# KiCad board meepolab pcb.kicad_pcb (continued)
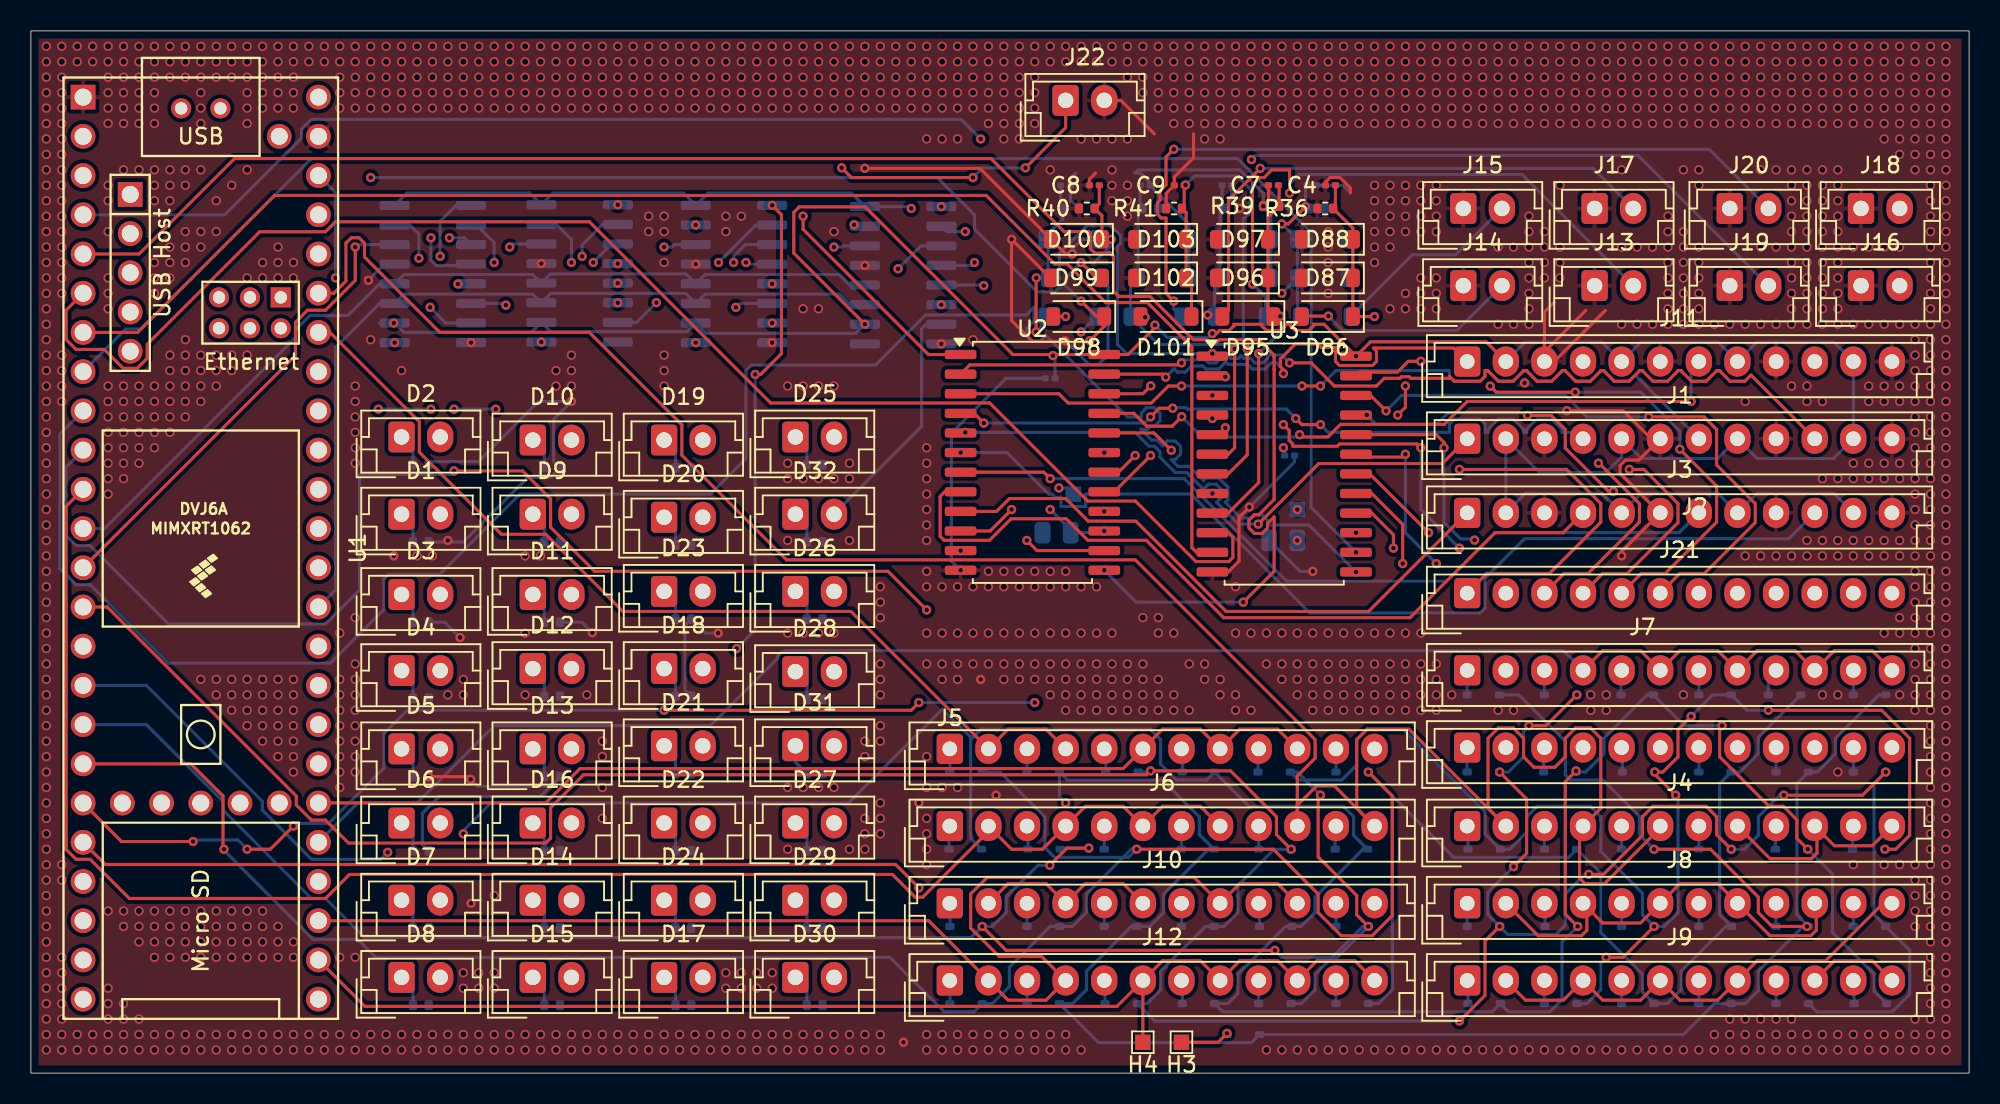
[diagram p0: board, top side]
## Routing (per net, layer and track width the routed paths; a pad name or vN(x,y) marks a point on that pad's centre or on a via; arc(x,y) is an arc through that point) (continued)
Drum3: length 25.5
  Top w0.2: v1(65.1,51.5) 65.09,51.49 v1(65.09,48)
  In2.Cu w0.2: v1(65.09,48) 65.09,40.79 v1(69.5,36.38)
  Bottom w0.2: v1(65.09,48) 65.7,48.61 D92.1 ; v1(65.1,51.5) 65.85,51.5 D93.1 65.85,53.85 D94.1 65.7,54.2 66.82,55.32 R38.1 66.68,56.15 C6.1
Drum4: length 24.1
  Top w0.2: D95.1 80.1,49.35 D96.1 D97.1 80.1,55.43 R39.1 80.82,57.45 C7.1 ; v1(79.5,46.6) 79.5,38.25 77.52,36.27 U3.9
  Bottom w0.2: v1(79.5,46.6) 80.9,48 v1(80.9,49.02)
Drum5: length 34.4
  Top w0.2: v1(68,50) 69,49 D98.1 69.51,48.99 69.51,48.38 v1(68.57,47.43) ; D99.1 69,51.5 v1(68,52.5) ; C8.1 69.18,56.3 R40.1 69.35,55.53 D100.1 69.35,54 v1(69.95,54)
  In2.Cu w0.2: v1(76.5,37.54) 70.17,37.54 68.1,39.61 68.1,44.86 69.51,46.28 69.51,46.49 69.46,46.54 69.46,46.72 69.1,47.07 68.93,47.07 v1(68.57,47.43)
  Bottom w0.2: v1(68,50) 67,51 67,51.5 v1(68,52.5) 68.85,52.5 69.95,53.6 v1(69.95,54)
Drum6: length 34
  Top w0.2: D101.1 75.15,50.95 74.8,51.3 D102.1 D103.1 74.8,55.73 R41.1 74.68,56.15 74.68,57.5 ; U3.7 77.52,38.81 78.76,40.04 v1(78.76,46.9)
  Bottom w0.2: v1(74.76,57.52) 75.35,58.1 78.12,58.1 79,57.22 79,56.51 78.86,56.37 78.86,55.63 78.61,55.38 78.5,55.38 78.5,47.16 v1(78.76,46.9)
Drum7: length 24.5
  Top w0.2: U3.6 77.52,40.08 77.94,40.5 v1(77.94,46.9)
  Bottom w0.2: 71.82,57.5 71.82,56.15 R42.1 71.7,55.73 D106.1 D105.1 71.2,51 D104.1 73,47.2 77.64,47.2 v1(77.94,46.9)
External 3v3: length 58.9
  Top w0.2: v1(52.5,58.63) 53.13,58 v1(61,58) ; v1(64.4,58.63) 67,61.23 J22.1
  In2.Cu w0.2: v1(57,56) 55.13,56 v1(52.5,58.63)
  Bottom w0.2: v1(64.4,58.63) 61.63,58.63 v1(61,58) ; U4.16 24.35,57 32.29,57 U5.16 33.81,57 42.25,57 U6.16 43.85,57 53.12,57 U7.16 56.88,56.12 v1(57,56)
KeyBot1Gnd: length 1.6
  Bottom w0.2: D58.2 J7.3
KeyBot2Gnd: length 1.6
  Bottom w0.2: D59.2 102.95,26.03 J7.5
KeyBot3Gnd: length 1.6
  Bottom w0.2: D60.2 J7.7
KeyBot4Gnd: length 1.8
  Bottom w0.2: J7.9 112.5,25.58 D61.2
KeyBot5Gnd: length 1.6
  Bottom w0.2: D62.2 J7.11
KeyBot6Gnd: length 1.5
  Bottom w0.2: D63.2 J8.1
KeyBot7Gnd: length 1.5
  Bottom w0.2: D64.2 98.05,10.95 J8.3
KeyBot8Gnd: length 1.5
  Bottom w0.2: D65.2 J8.5
KeyBot9Gnd: length 1.5
  Bottom w0.2: D66.2 J8.7
KeyBot10Gnd: length 1.5
  Bottom w0.2: D67.2 J8.9
KeyBot11Gnd: length 1.5
  Bottom w0.2: D68.2 J8.11
KeyBot12Gnd: length 1.5
  Bottom w0.2: J9.1 93.05,5.95 D69.2
KeyBot13Gnd: length 1.5
  Bottom w0.2: D70.2 J9.3
KeyBot14Gnd: length 1.5
  Bottom w0.2: D71.2 J9.5
KeyBot15Gnd: length 1.5
  Bottom w0.2: D72.2 J9.7
KeyBot16Gnd: length 1.5
  Bottom w0.2: D73.2 J9.9
KeyBot17Gnd: length 1.5
  Bottom w0.2: D74.2 118.05,5.95 J9.11
KeyBot18Gnd: length 1.5
  Bottom w0.2: D75.2 J10.1
KeyBot19Gnd: length 1.5
  Bottom w0.2: D76.2 J10.3
KeyBot20Gnd: length 1.5
  Bottom w0.2: D77.2 J10.5
KeyBot21Gnd: length 1.5
  Bottom w0.2: D78.2 J10.7
KeyBot22Gnd: length 1.5
  Bottom w0.2: J10.9 79.55,10.95 D79.2
KeyBot23Gnd: length 1.5
  Bottom w0.2: D80.2 J10.11
KeyBot24Gnd: length 1.5
  Bottom w0.2: D81.2 J12.1
KeyBot25Gnd: length 1.5
  Bottom w0.2: D82.2 J12.3
KeyTop1Gnd: length 1.6
  Bottom w0.2: D33.2 J2.1
KeyTop2Gnd: length 1.6
  Bottom w0.2: D38.2 97.95,21.03 J2.3
KeyTop3Gnd: length 1.6
  Bottom w0.2: J2.5 103.05,21.03 D43.2
KeyTop4Gnd: length 1.6
  Bottom w0.2: D48.2 J2.7
KeyTop5Gnd: length 1.6
  Bottom w0.2: D53.2 J2.9
KeyTop6Gnd: length 1.6
  Bottom w0.2: D34.2 J2.11
KeyTop7Gnd: length 1.5
  Bottom w0.2: D39.2 59.45,15.95 J6.1
KeyTop8Gnd: length 1.5
  Bottom w0.2: J6.3 64.55,15.95 D44.2
KeyTop9Gnd: length 1.5
  Bottom w0.2: D49.2 J6.5
KeyTop10Gnd: length 1.5
  Bottom w0.2: D54.2 J6.7
KeyTop11Gnd: length 1.5
  Bottom w0.2: D35.2 J6.9
KeyTop12Gnd: length 1.5
  Bottom w0.2: D40.2 84.45,15.95 J6.11
KeyTop13Gnd: length 1.5
  Bottom w0.2: D45.2 93.05,15.95 J4.1
KeyTop14Gnd: length 1.5
  Bottom w0.2: D50.2 J4.3
KeyTop15Gnd: length 1.5
  Bottom w0.2: D55.2 J4.5
KeyTop16Gnd: length 1.5
  Bottom w0.2: D36.2 J4.7
KeyTop17Gnd: length 1.5
  Bottom w0.2: J4.9 112.95,15.95 D41.2
KeyTop18Gnd: length 1.5
  Bottom w0.2: J4.11 117.95,15.95 D46.2
KeyTop19Gnd: length 1.5
  Bottom w0.2: D51.2 J5.1
KeyTop20Gnd: length 1.5
  Bottom w0.2: D56.2 J5.3
KeyTop21Gnd: length 1.5
  Bottom w0.2: J5.5 69.6,20.9 D37.2
KeyTop22Gnd: length 1.5
  Bottom w0.2: J5.7 74.55,20.95 D42.2
KeyTop23Gnd: length 1.5
  Bottom w0.2: J5.9 79.45,20.95 D47.2
KeyTop24Gnd: length 1.5
  Bottom w0.2: D52.2 J5.11
KeyTop25Gnd: length 1.6
  Bottom w0.2: D57.2 J7.1
OctDwnGnd: length 1.5
  Bottom w0.2: D109.2 J12.9
OctUpGnd: length 1.5
  Bottom w0.2: J12.7 74.55,5.95 D108.2
PlayPauseGnd: length 3.2
  Top w0.2: v1(77.45,2.57) 76.88,2 H3.1
Pot0: length 38.8
  Top w0.2: J3.1 86.61,29.9 77.39,29.9 71.55,35.75 68.47,35.75 67.01,37.21 63.36,37.21 62.53,36.38 U2.9
Pot1: length 51.8
  Top w0.2: U2.8 59.18,37.65 58.87,37.35 58.87,34.77 59.13,34.51 62.08,34.51 63.47,35.9 67.04,35.9 68.43,34.51 72.22,34.51 77.23,29.5 89.3,29.5 94.8,35 99.22,35 J3.4
Pot2: length 52.6
  Top w0.2: U2.7 65.58,38.92 v1(66,38.5)
  Bottom w0.2: v1(66,38.5) 74.68,38.5 81.32,31.86 91.66,31.86 94.81,35.01 106.72,35.01 J3.7
Pot3: length 64.9
  Bottom w0.2: v1(60.2,40.19) 63.21,40.19 65.9,37.5 66.12,37.5 66.32,37.3 66.7,37.3 66.7,36.7 68.3,36.7 68.3,37.5 75.11,37.5 82.8,29.81 93.84,29.81 94.15,30.12 94.15,32.05 96.71,34.61 113.82,34.61 J3.10
Pot4: length 39
  Top w0.2: U2.5 60.46,41.46 v1(60.5,41.5) ; J1.1 91.39,39.48 83.39,39.48 v1(79.47,35.56)
  Bottom w0.2: v1(79.47,35.56) 78.19,35.56 76.78,36.97 77.1,37.29 77.1,37.79 76.75,38.14 76.25,38.14 75.93,37.82 74.84,38.9 74.1,38.9 73.1,39.9 73.1,40.25 72.75,40.6 72.4,40.6 71.5,41.5 v1(60.5,41.5)
Pot5: length 45.1
  Top w0.2: U2.4 61.07,42.73 v1(61.7,42.1) ; v1(72.5,42.5) 73.06,43.06 v1(73.93,43.06) ; v1(83.5,42) 82.3,42 v1(81.9,42.4)
  Bottom w0.2: v1(61.7,42.1) 72.1,42.1 v1(72.5,42.5) ; v1(73.93,43.06) 74,43 74.15,43 74.26,43.11 74.76,43.11 74.87,43 81.3,43 v1(81.9,42.4) ; v1(83.5,42) 84,41.5 91.85,41.5 91.85,42.05 92.16,42.36 93.84,42.36 94.15,42.05 94.15,41.5 94.35,41.5 94.35,41.69 95.02,42.36 95.98,42.36 96.65,41.69 96.65,41.5 96.85,41.5 96.85,41.69 97.52,42.36 98.48,42.36 99.15,41.69 99.15,41.5 100.09,41.5 J1.4
Pot6: length 53.9
  Top w0.2: v1(74.5,44.5) 73.65,44.5 72.55,43.4 67.17,43.4 66.56,44 U2.3 ; v1(82.3,44.5) v1(83.5,44.5)
  Bottom w0.2: v1(74.5,44.5) v1(82.3,44.5) ; J1.7 103.88,45.21 103.48,44.81 102.52,44.81 101.85,45.48 101.85,45.5 101.65,45.5 101.65,45.48 100.98,44.81 100.02,44.81 99.35,45.48 99.35,45.5 99.15,45.5 99.15,45.48 98.48,44.81 97.52,44.81 96.85,45.48 96.85,45.5 96.65,45.5 96.65,45.48 95.98,44.81 95.02,44.81 94.35,45.48 94.35,45.5 94.15,45.5 94.15,45.12 93.84,44.81 92.16,44.81 91.85,45.12 91.85,45.5 84.5,45.5 v1(83.5,44.5)
Pot7: length 64.3
  Top w0.2: v1(81.5,46) 82.9,46 84.4,44.5 87.13,44.5 87.63,45 88.65,45 88.75,45.1 89.25,45.1 89.35,45 91.85,45 91.85,45.12 92.16,44.81 93.84,44.81 94.15,45.12 94.15,45.5 94.35,45.5 94.35,45.48 95.02,44.81 95.98,44.81 96.65,45.48 96.65,45.5 96.85,45.5 96.85,45.48 97.52,44.81 98.48,44.81 99.15,45.48 99.15,45.5 99.35,45.5 99.35,45.48 100.02,44.81 100.98,44.81 101.65,45.48 101.65,45.5 101.85,45.5 101.85,45.48 102.52,44.81 103.48,44.81 104.15,45.48 104.15,45.5 104.35,45.5 104.35,45.48 105.02,44.81 105.98,44.81 106.65,45.48 106.65,45.5 106.85,45.5 106.85,45.48 107.52,44.81 108.48,44.81 109.15,45.48 109.15,45.5 109.35,45.5 109.35,45.48 110.02,44.81 110.98,44.81 111.38,45.21 J1.10 ; v1(74.5,46) 74.37,45.87 60.8,45.87 U2.2
  Bottom w0.2: v1(74.5,46) 74.7,46.2 76.05,46.2 76.25,46 76.75,46 77.1,46.35 77.1,46.5 77.49,46.5 77.69,46.3 78.19,46.3 78.35,46.46 78.51,46.3 78.95,46.3 79.25,46 79.75,46 80.1,46.35 80.1,46.5 81,46.5 v1(81.5,46)
RCLK: length 59
  Bottom w0.2: U1.12 4.77,35.27 17.13,47.63 17.13,48.13 18.07,49.07 20.53,49.07 22.58,51.12 U4.12 24.15,51.72 32.49,51.72 U5.12 33.65,51.76 42.41,51.76 U6.12 43.65,51.72 52.34,51.72 53.03,51.04 U7.12
RecGnd: length 1.5
  Bottom w0.2: D110.2 J12.11
Row0: length 214.1
  Top w0.2: v1(92.5,3.37) 94.15,5.03 94.15,8.55 v1(95.1,9.5) ; v1(96,13.37) 96.85,14.22 96.85,17.75 v1(95.1,19.5) ; v1(120.1,19.5) 118.6,18 v1(113.5,18) ; v1(97,22.5) 98.1,22.5 v1(100.1,24.5) ; U1.14 4.94,30.19 17.18,17.95 17.18,17.37 18.16,16.39 19.08,16.39 20.57,14.9 33.34,14.9 33.65,15.21 33.65,17.19 35.79,19.32 72.25,19.32 v1(72.5,19.57) 77.68,19.57 80.65,16.6 80.65,15.45 v1(81.6,14.5) ; v1(100.88,12.88) 101.83,12.88 104.35,15.4 104.35,16.6 105.02,17.28 108.48,17.28 109.15,16.6 109.15,15.45 v1(110.1,14.5)
  Bottom w0.2: v1(72.5,19.57) 72.43,19.5 D37.1 ; v1(92.5,3.37) 72.78,3.37 D107.1 72.25,4.5 73.15,5.4 73.15,6.6 76.05,9.5 D78.1 77.25,9.5 78.15,10.4 78.15,12.15 80.5,14.5 v1(81.6,14.5) ; v1(96,13.37) 94.35,11.72 94.35,10.25 v1(95.1,9.5) 95.63,8.97 98.74,8.97 99.35,9.59 99.35,11.6 100.62,12.88 v1(100.88,12.88) ; v1(113.5,18) 113.25,18 111.85,16.6 111.85,15.4 110.95,14.5 v1(110.1,14.5) ; D73.1 115.63,3.97 120.51,3.97 121.65,5.11 121.65,7.95 D68.1 119.35,10.25 119.35,18.75 v1(120.1,19.5) ; v1(95.1,19.5) 95.67,19.5 96.65,20.48 96.65,22.15 v1(97,22.5)
Row1: length 196.9
  Top w0.2: v1(100.15,9.5) 99.35,10.3 99.35,18.87 v1(100.05,19.57) ; v1(115.05,14.5) 114.35,15.2 114.35,16.4 113.48,17.28 112.56,17.28 109.35,20.48 109.35,22.35 v1(109.5,22.5)
  In2.Cu w0.2: v1(23.1,14.3) 26.8,14.3 v1(28,15.5)
  Bottom w0.2: D38.1 100.67,19.5 101.85,20.68 101.85,21.69 104.66,24.5 D59.1 107.05,22.5 v1(109.5,22.5) ; v1(28,15.5) 28,15.7 29.8,17.5 52.95,17.5 59.03,23.58 60.85,21.76 60.85,21.6 ; 60.85,21.6 60.85,15.2 D39.1 ; 60.85,21.6 61.52,22.28 72.48,22.28 73.15,21.6 73.15,20.01 74.19,18.97 76.12,18.97 D42.1 78.87,17.28 84.98,17.28 85.65,16.6 85.65,15.4 D40.1 86.25,14.5 83.15,11.4 83.15,10.4 82.25,9.5 D79.1 81.25,9.5 78.15,6.4 78.15,5.15 77.5,4.5 D108.1 77.18,3.97 94.62,3.97 D69.1 95.68,3.97 98.36,3.97 99.15,4.76 99.15,8.5 v1(100.15,9.5) ; D74.1 119.35,5.3 119.35,6.4 116.65,9.1 116.65,12.9 v1(115.05,14.5) ; v1(23.1,14.3) 22.65,13.85 18.16,13.85 14.98,17.03 14.98,17.61 7.48,25.11 U1.16
Row2: length 208.9
  Top w0.2: v1(83.5,18) 83.35,17.85 83.35,14 85.85,11.5 85.85,10.25 v1(86.6,9.5) ; v1(68.5,14.57) 67.09,14.57 v1(65.98,13.46) ; v1(107.5,23.1) 106.65,22.25 106.65,20.48 105.67,19.5 v1(105.15,19.5) 105.15,19.35 v1(106.5,18) ; v1(61.6,9.5) 63.15,7.95 v1(80.55,7.95) ; v1(120.05,14.5) 120.75,14.5 121.65,15.4 121.65,21.69 119.84,23.5 v1(112.5,23.5) ; v1(105.1,9.5) 103.1,7.5 v1(102,7.5)
  Bottom w0.2: v1(80.55,7.95) 81,7.5 84.6,7.5 v1(86.6,9.5) 86.25,9.5 83.15,6.4 83.15,5.4 82.25,4.5 D109.1 ; v1(107.5,23.1) 108.9,24.5 D60.1 111.1,23.5 v1(112.5,23.5) ; v1(102,7.5) 101.65,7.15 101.65,5.4 100.75,4.5 D70.1 ; v1(106.5,18) 106.65,17.85 106.65,10.4 105.75,9.5 v1(105.1,9.5) 104.35,10.25 104.35,11.65 101.65,14.35 101.65,16.6 100.98,17.28 97.52,17.28 96.85,16.6 96.85,15.6 95.75,14.5 D45.1 94.15,15.5 94.15,16.96 88.84,22.28 86.52,22.28 85.85,21.6 85.85,19.96 84.86,18.97 82.08,18.97 D47.1 82,19.5 v1(83.5,18) ; U1.17 7.48,22.57 12.44,17.61 12.44,17.03 18.16,11.31 19.08,11.31 21.61,8.78 60.88,8.78 v1(61.6,9.5) 62.25,9.5 63.15,10.4 63.15,11.4 65.21,13.46 v1(65.98,13.46) ; D44.1 66.72,14.57 v1(68.5,14.57)
Row3: length 196.8
  Top w0.2: v1(12.5,14.5) 12.44,14.56 12.44,17.95 10.36,20.03 U1.18 ; v1(71.6,14.5) 80.45,14.5 83.35,11.6 83.35,10.4 84.85,8.9 86.85,8.9 88.15,10.2 88.15,17.95 v1(86.6,19.5)
  Bottom w0.2: D110.1 87.25,4.5 88.15,5.4 88.15,17.95 v1(86.6,19.5) 92.13,13.97 99.57,13.97 D50.1 101.65,12.95 101.65,9.1 104.35,6.4 104.35,5.25 D71.1 105.95,4.5 106.85,5.4 106.85,6.6 109.75,9.5 D66.1 109.35,10.25 109.35,18.75 D48.1 110.67,19.5 111.85,20.68 111.85,21.75 D61.1 ; v1(12.5,14.5) 12.5,14.43 18.27,8.66 21.16,8.66 22.32,7.5 55.61,7.5 59.14,3.97 61.07,3.97 D81.1 62.25,4.5 63.35,5.6 63.35,6.85 66,9.5 D76.1 67.45,9.5 68.35,10.4 68.35,11.6 71.25,14.5 v1(71.6,14.5) 71.07,13.97 66.29,13.97 65.65,14.61 65.65,16.6 62.75,19.5 D51.1
Row4: length 206.3
  Top w0.2: v1(41,23.5) 57,23.5 v1(57.5,24) ; v1(10.5,15) 5.87,15 U1.19 ; v1(105.1,14.5) 108.75,14.5 111.85,11.4 111.85,10.4 112.75,9.5 v1(115,9.5) ; v1(14,14.5) 15.5,14.5 v1(17,16)
  In2.Cu w0.2: v1(67,17.5) 65.65,18.85 65.65,23.35 v1(65,24)
  Bottom w0.2: v1(10.5,15) 10.6,15.1 13.4,15.1 v1(14,14.5) ; v1(41,23.5) 24.36,23.5 22.85,21.99 22.85,19.75 19.28,16.18 17.18,16.18 v1(17,16) ; D62.1 119.66,24.5 116.85,21.69 116.85,20.68 115.67,19.5 D53.1 114.35,18.75 114.35,10.25 D67.1 v1(115,9.5) 114.75,9.5 111.85,6.6 111.85,5.35 111,4.5 D72.1 109,4.5 107,2.5 D111.1 79.02,1.97 69.13,1.97 D82.1 67.45,4.5 68.35,5.4 68.35,6.6 71.25,9.5 D77.1 72.45,9.5 73.35,10.4 73.35,11.6 76.25,14.5 D54.1 75.65,15.45 75.65,16.6 73.28,18.97 67.13,18.97 D56.1 66.6,17.9 v1(67,17.5) ; v1(57.5,24) v1(65,24) ; v1(105.1,14.5) 104.15,15.45 104.15,16.63 101.81,18.97 99.69,18.97 99.35,19.31 99.35,21.49 96.34,24.5 D57.1
S0_1: length 84.6
  Top w0.2: U2.10 62.11,35.11 v1(63.5,36.5)
  In2.Cu w0.2: U1.2 14.52,60.67 15.62,61.77 54.72,61.77 63.5,52.99 v1(63.5,36.5)
S0_2: length 96.2
  Top w0.2: U3.10 77.52,35 77.83,34.7 77.83,33.39 77.57,33.13 75.43,33.13 71.51,37.05 68.43,37.05 62.08,43.4 47.9,43.4 36.17,55.13 19.72,55.13 19.08,54.49 14.81,54.49 7.53,47.21 7.53,46.29 6.89,45.65 5.97,45.65 4.76,46.87 2.92,46.87 2.28,47.51 2.28,49.41 U1.6
S1_1: length 82.6
  In2.Cu w0.2: U1.3 4.82,59.57 56.35,59.57 62.3,53.62 62.3,35.94 v1(60.2,33.84)
S1_2: length 94
  Top w0.2: U3.11 75.48,33.73 75.17,34.03 75.17,47.03 72.3,49.9 69.6,49.9 67.1,52.4 66.3,52.4 61.86,56.84 15.77,56.84 6.9,47.97 U1.7
S2_1: length 94.1
  Top w0.2: U2.14 65.15,33.84 v1(64.49,34.5)
  In2.Cu w0.2: v1(61.5,60.5) 64.49,57.51 v1(64.49,34.5)
  Bottom w0.2: v1(61.5,60.5) 60.23,61.77 18.16,61.77 17.52,61.13 17.52,60.55 12.56,55.59 U1.4
S2_2: length 109.1
  Bottom w0.2: U1.8 6.14,48.19 7.12,48.19 18.16,59.23 78.12,59.23 82.9,54.45 82.9,36.63 v1(85.8,33.73)
S3_1: length 117.7
  Top w0.2: U1.5 7.01,53.05 13.19,59.23 62.17,59.23 66.9,54.5 68.5,54.5 68.6,54.4 68.6,53.4 68.9,53.1 69.8,53.1 69.85,53.15 70.1,52.9 70.1,50.64 70.44,50.3 72.47,50.3 75.27,47.5 76.05,47.5 76.25,47.3 76.75,47.3 76.95,47.5 79.5,47.5 80.5,46.5 80.5,46.42 80.5,46.42 80.5,45.58 80.5,45.58 80.5,37.15 79.5,36.16 79.22,36.16 78.87,35.8 78.87,35.31 79.22,34.95 79.72,34.95 80.07,35.31 80.07,35.59 80.5,36.02 80.5,32.5 v1(78.5,30.5)
  Bottom w0.2: v1(69.5,32.57) 71.57,30.5 v1(78.5,30.5)
S3_3: length 127.1
  Bottom w0.2: U1.9 1.88,41.39 1.88,32.67 2.92,31.63 3.84,31.63 8.92,26.55 19.38,26.55 22.85,30.01 22.85,31.99 23.16,32.3 26.46,32.3 31.66,37.5 44,37.5 46.3,39.8 46.3,45.5 46.65,45.85 54.68,45.85 57.93,49.1 64.45,49.1 64.95,49.6 64.95,48.6 64.84,48.6 64.49,48.25 64.49,47.75 64.84,47.4 65.34,47.4 65.69,47.75 65.69,47.81 71,42.5 71.9,42.5 71.9,42.75 72.25,43.1 72.75,43.1 73.1,42.75 73.1,42.25 72.75,41.9 72.47,41.9 72.27,41.7 71.87,41.7 72.57,41 72.92,41 73.28,40.63 73.59,40.94 74.09,40.94 74.44,40.59 74.44,40.09 74.09,39.74 73.83,39.74 74.27,39.3 75.01,39.3 75.93,38.38 76.08,38.54 76.92,38.54 77.5,37.96 77.5,37.12 77.34,36.97 78.35,35.96 79.02,35.96 79.22,36.16 79.72,36.16 80.07,35.8 80.07,35.5 82.76,35.5 v1(85.8,32.46)
SER: length 31.4
  Top w0.2: v1(21,53.5) 21,51.33 19.08,49.41 17.91,49.41 17.13,48.63 17.13,46.48 U1.13
  Bottom w0.2: v1(21,53.5) 21.16,53.66 U4.14
ShiftGnd: length 1.5
  Bottom w0.2: J12.5 69.55,5.95 D107.2
Slider0: length 29.7
  Top w0.2: v1(81.1,45.31) 81.1,45.55 80.9,45.75 80.9,46.25 81.88,47.23 83.33,47.23 83.56,47 84.66,47 84.68,46.98 84.47,46.77 84.47,46.09 84.73,45.83 86.87,45.83 87.13,46.09 87.13,46.77 86.94,46.96 92.12,46.96 J11.1 ; v1(73.48,45.07) 73.28,45.27 U2.23
  Bottom w0.2: v1(73.48,45.07) 74.03,45.62 74.25,45.4 74.75,45.4 75.15,45.8 75.88,45.8 76.08,45.6 76.92,45.6 77.32,46 77.43,46 77.53,45.9 78.78,45.9 79.08,45.6 79.92,45.6 80.32,46 80.65,46 81.1,45.55 v1(81.1,45.31)
Slider1: length 32.9
  Top w0.2: U2.22 72,44 v1(72.51,44.51)
  In2.Cu w0.2: v1(72.51,44.51) 72.55,44.47 73.68,44.47 74.65,43.5 76.04,43.5 76.25,43.29 76.75,43.29 76.95,43.49 97.72,43.49 97.73,43.5 97.91,43.5 J11.4
Slider2: length 43
  Top w0.2: v1(74.51,42.51) 73.9,41.9 72.25,41.9 71.42,42.73 U2.21 ; v1(82.15,41.35) 82.3,41.2 83.98,41.2 84.8,42.02 91.52,42.02 93,43.5 v1(107.5,43.5)
  Bottom w0.2: v1(82.15,41.35) 82,41.2 75.82,41.2 v1(74.51,42.51) ; J11.7 107.5,45.59 v1(107.5,43.5)
Slider3: length 55.3
  Top w0.2: v1(73.84,40.34) 72.72,41.46 U2.20
  In2.Cu w0.2: J11.10 116.65,44.93 116.65,40.48 114.67,38.5 75.68,38.5 v1(73.84,40.34)
SRCLK: length 54.3
  Bottom w0.2: U7.11 53.03,49.77 52.34,50.45 43.65,50.45 U6.11 42.4,50.5 33.66,50.5 U5.11 32.49,50.45 24.15,50.45 U4.11 22.58,49.85 19.72,47 19.72,31.29 U1.35
Net-(D1-A): length 20.5
  In2.Cu w0.2: v1(25.12,52.78) 25.15,52.75 25.15,37.55 D1.2
  Bottom w0.2: U4.15 24.52,54.93 25.12,54.33 v1(25.12,52.78)
Net-(D1-K): length 2.1
  Bottom w0.2: D1.1 24.74,35.46 R3.1
Net-(D2-A): length 16.4
  In2.Cu w0.2: D2.2 v1(26.5,52.9)
  Bottom w0.2: U4.1 27.53,56.2 26.5,55.17 v1(26.5,52.9)
Net-(D2-K): length 2.1
  Bottom w0.2: D2.1 24.74,40.46 R4.1
Net-(D3-A): length 26.3
  In2.Cu w0.2: v1(30,52.5) 28,50.5 28,47.66 27.9,47.56 27.9,47.06 28,46.96 28,32.5 D3.2
  Bottom w0.2: U4.2 28.85,54.93 30,53.78 v1(30,52.5)
Net-(D3-K): length 2.1
  Bottom w0.2: R5.1 24.74,30.26 D3.1
Net-(D4-A): length 36.8
  In2.Cu w0.2: v1(27.1,54.1) 31.25,54.1 31.6,53.75 31.6,53.25 28.5,50.15 28.5,47.91 28.75,47.91 29.1,47.56 29.1,47.06 28.75,46.71 28.5,46.71 28.5,28.07 D4.2
  Bottom w0.2: U4.3 28.06,54.1 v1(27.1,54.1)
Net-(D4-K): length 2.1
  Bottom w0.2: D4.1 24.74,25.33 R6.1
Net-(D5-A): length 46.1
  In2.Cu w0.2: v1(25.9,54.1) 26.5,54.7 31.22,54.7 32,53.92 32,53.08 29.5,50.58 29.5,24 D5.2
  Bottom w0.2: v1(25.9,54.1) 25.9,52.65 26.25,52.3 28.41,52.3 U4.4
Net-(D5-K): length 2.1
  Bottom w0.2: D5.1 24.74,20.26 R7.1
Net-(D6-A): length 40.1
  In2.Cu w0.2: v1(27.65,51.11) 27.4,50.86 v1(27.4,43) ; v1(30.1,43) 30.1,19.8 D6.2
  Bottom w0.2: v1(27.4,43) v1(30.1,43) ; v1(27.65,51.11) 27.66,51.12 U4.5
Net-(D6-K): length 2.1
  Bottom w0.2: D6.1 24.74,15.46 R8.1
Net-(D7-A): length 42.6
  In2.Cu w0.2: v1(30.76,49.74) 30.76,15.46 D7.2
  Bottom w0.2: v1(30.76,49.74) 30.64,49.85 U4.6
Net-(D7-K): length 2.1
  Bottom w0.2: R9.1 24.74,10.46 D7.1
Net-(D8-A): length 51.5
  In2.Cu w0.2: v1(22.5,43) 22.5,10.2 D8.2 ; v1(25.9,43) 25.85,43.05 v1(25.85,49.59)
  Bottom w0.2: v1(25.9,43) v1(22.5,43) ; v1(25.85,49.59) 26.86,48.58 U4.7
Net-(D8-K): length 2.1
  Bottom w0.2: R10.1 24.74,5.46 D8.1
Net-(D9-A): length 21.1
  In2.Cu w0.2: v1(35,52.5) 36.15,51.35 36.15,37.35 D9.2
  Bottom w0.2: U5.15 34.02,54.97 35,53.99 v1(35,52.5)
Net-(D9-K): length 2.1
  Bottom w0.2: D9.1 33.24,35.46 R11.1
Net-(D10-A): length 19.8
  In2.Cu w0.2: v1(38,56.24) 36.01,56.24 32.45,52.68 32.45,43.55 D10.2
Net-(D10-K): length 2.1
  Bottom w0.2: R12.1 33.24,40.26 D10.1
Net-(D11-A): length 26.5
  In2.Cu w0.2: v1(35.69,52.9) 35.69,52.37 36.55,51.52 36.55,37.18 36.5,37.13 36.5,32.5 D11.2
  Bottom w0.2: v1(35.69,52.9) 35.69,53.64 37.03,54.97 U5.2
Net-(D11-K): length 2.1
  Bottom w0.2: D11.1 33.24,30.26 R13.1
Net-(D12-A): length 29.4
  In2.Cu w0.2: v1(36.42,52.5) 36.95,51.96 36.95,28.15 D12.2
  Bottom w0.2: v1(36.42,52.5) 37.61,53.7 U5.3
Net-(D12-K): length 2.1
  Bottom w0.2: R14.1 33.24,25.46 D12.1
Net-(D13-A): length 32.7
  In2.Cu w0.2: D13.2 37.4,23.4 37.4,51.83 v1(38,52.43)
Net-(D13-K): length 2.1
  Bottom w0.2: D13.1 33.24,20.26 R15.1
Net-(D14-A): length 41.7
  In2.Cu w0.2: D14.2 38.6,14.8 38.6,50.56 v1(38,51.16)
Net-(D14-K): length 2.1
  Bottom w0.2: R16.1 33.24,10.46 D14.1
Net-(D15-A): length 46.1
  In2.Cu w0.2: v1(38,49.89) 38,16 33.65,11.65 33.65,7.55 D15.2
Net-(D15-K): length 2.1
  Bottom w0.2: D15.1 33.24,5.46 R17.1
Net-(D16-A): length 66.9
  In2.Cu w0.2: D16.2 31.35,12.55 31.35,5.21 31.66,4.9 35.48,4.9 39.5,8.92 39.5,48.9 v1(40.5,49.9)
  Bottom w0.2: v1(40.5,49.9) 39.22,48.62 U5.7
Net-(D16-K): length 2.1
  Bottom w0.2: R18.1 33.24,15.46 D16.1
Net-(D17-A): length 49.5
  In2.Cu w0.2: D17.2 42.35,7.35 42.35,54.23 v1(43.05,54.93)
Net-(D17-K): length 2.1
  Bottom w0.2: D17.1 41.74,5.46 R19.1
Net-(D18-A): length 33.1
  Top w0.2: v1(48,56.2) 48.6,55.6 48.6,46.6 47.25,45.25 v1(46.9,45.25)
  In2.Cu w0.2: v1(45.7,27.5) 44.4,26.2 D18.2
  Bottom w0.2: v1(45.7,27.5) 46.9,28.7 v1(46.9,45.25)
Net-(D18-K): length 2.1
  Bottom w0.2: R20.1 41.74,25.46 D18.1
Net-(D19-A): length 16.4
  In2.Cu w0.2: v1(44.53,52.5) 44.53,42.02 D19.2
  Bottom w0.2: U6.2 46.96,54.93 v1(44.53,52.5)
Net-(D19-K): length 2.1
  Bottom w0.2: R21.1 41.74,40.26 D19.1
Net-(D20-A): length 20.5
  In2.Cu w0.2: D20.2 44,36.5 44,39.72 44.65,40.37 44.65,41.58 44.93,41.86 44.93,51.93 v1(45.5,52.5)
  Bottom w0.2: v1(45.5,52.5) 45.5,52.9 46.26,53.66 U6.3
Net-(D20-K): length 2.1
  Bottom w0.2: D20.1 41.74,35.26 R22.1
Net-(D21-A): length 34.2
  In2.Cu w0.2: v1(46.3,52.5) 46.3,24 D21.2
  Bottom w0.2: U6.4 46.41,52.39 v1(46.3,52.5)
Net-(D21-K): length 2.1
  Bottom w0.2: D21.1 41.74,20.46 R23.1
Net-(D22-A): length 37.1
  In2.Cu w0.2: D22.2 47.75,20.45 47.75,46.71 47.4,47.06 47.4,50.52 v1(48,51.12)
Net-(D22-K): length 2.1
  Bottom w0.2: D22.1 41.74,15.46 R24.1
Net-(D23-A): length 21.9
  In2.Cu w0.2: D23.2 44.5,32.2 44.5,35.22 44.65,35.37 44.65,36.63 44.5,36.78 44.5,39.66 45.05,40.21 45.05,41.42 45.33,41.69 45.33,49.27 v1(45.65,49.59)
  Bottom w0.2: U6.6 45.91,49.85 v1(45.65,49.59)
Net-(D23-K): length 2.1
  Bottom w0.2: D23.1 41.74,30.46 R25.1
Net-(D24-A): length 39.7
  In2.Cu w0.2: v1(48,48.58) 48.6,47.98 48.6,47.06 48.35,46.81 48.35,16.05 D24.2
Net-(D24-K): length 2.1
  Bottom w0.2: R26.1 41.74,10.46 D24.1
Net-(D25-A): length 14.3
  In2.Cu w0.2: D25.2 53.31,42.51 v1(53.31,54.94)
Net-(D25-K): length 2.1
  Bottom w0.2: R27.1 50.24,40.46 D25.1
Net-(D26-A): length 27.8
  In2.Cu w0.2: D26.2 54.6,33.8 54.6,51.77 v1(58.95,56.12)
Net-(D26-K): length 2.1
  Bottom w0.2: D26.1 50.24,30.46 R28.1
Net-(D27-A): length 43.7
  In2.Cu w0.2: v1(60.5,54.5) 60.5,50.47 59.2,49.17 58.92,49.17 56,46.25 56,33.5 55.8,33.3 55.8,20 D27.2
  Bottom w0.2: U7.2 59.3,54.5 v1(60.5,54.5)
Net-(D27-K): length 2.1
  Bottom w0.2: R29.1 50.24,15.46 D27.1
Net-(D28-A): length 31.2
  In2.Cu w0.2: v1(56.15,52.09) 55,50.95 55,33.63 53.5,32.13 53.5,27.5 D28.2
  Bottom w0.2: U7.3 57.64,53.58 v1(56.15,52.09)
Net-(D28-K): length 2.1
  Bottom w0.2: D28.1 50.24,25.26 R30.1
Net-(D29-A): length 47.3
  In2.Cu w0.2: v1(61.1,52.5) 61.1,50.23 56.4,45.53 56.4,33.33 56.21,33.14 56.21,15.41 D29.2
  Bottom w0.2: v1(61.1,52.5) 60.91,52.31 U7.4
Net-(D29-K): length 2.1
  Bottom w0.2: R31.1 50.24,10.46 D29.1
Net-(D30-A): length 52.8
  In2.Cu w0.2: v1(61.7,51) 61.7,50.26 59.23,47.8 59.55,47.48 59.55,46.98 59.2,46.63 58.7,46.63 58.38,46.95 56.8,45.36 56.8,33.17 56.61,32.97 56.61,15.24 56.5,15.13 56.5,10.7 D30.2
  Bottom w0.2: U7.5 61.66,51.04 v1(61.7,51)
Net-(D30-K): length 2.1
  Bottom w0.2: D30.1 50.24,5.46 R32.1
Net-(D31-A): length 31.4
  In2.Cu w0.2: D31.2 53.5,22.7 53.5,26.93 53.9,27.33 53.9,31.97 55.4,33.47 55.4,46.22 v1(58.95,49.77)
Net-(D31-K): length 2.1
  Bottom w0.2: R33.1 49.5,20.14 D31.1
Net-(D32-A): length 15.7
  Bottom w0.2: D32.2 57.67,41.87 57.67,48.2 57.98,48.5 U7.7
Net-(D32-K): length 2.1
  Bottom w0.2: D32.1 50.24,35.46 R34.1
Net-(D83-A): length 39.3
  Top w0.2: v1(79.1,51.1) 79.1,57.53 79.57,58 79.85,58 80.2,58.35 80.2,58.37 80.34,58.5 81.5,58.5 v1(81.5,57)
  Bottom w0.2: J13.2 96.55,58.2 82.11,58.2 81.5,57.59 v1(81.5,57) ; v1(79.1,51.1) 79.95,50.25 D83.2
Net-(D86-A): length 14.5
  Top w0.2: v1(84.02,49.03) 82.33,49.03 D86.2
  Bottom w0.2: J14.2 92.35,48.1 84.94,48.1 v1(84.02,49.03)
Net-(D89-A): length 12.7
  Bottom w0.2: D89.2 89.45,53 92.25,53 J15.2
Net-(D92-A): length 71.7
  In2.Cu w0.2: v1(68,48) 67.15,48 66.4,48.75 66.4,49.25 67.75,50.6 68.88,50.6 78.45,60.17 118.61,60.17 122.15,56.63 122.15,52.15 J16.2
  Bottom w0.2: v1(68,48) D92.2
Net-(D95-A): length 35.8
  Top w0.2: D95.2 77.55,49.4 77.55,56.55 v1(79.6,58.6)
  Bottom w0.2: v1(79.6,58.6) 101.15,58.6 J17.2
Net-(D98-A): length 60.8
  Top w0.2: D98.2 v1(67,49)
  In2.Cu w0.2: v1(67,49) 67.85,49 78.62,59.77 117.23,59.77 J18.2
Net-(D101-A): length 50.3
  In2.Cu w0.2: v1(72.15,48.95) 72,49.1 72,52.13 v1(79.03,59.17)
  Bottom w0.2: J19.2 104.07,59.43 79.3,59.43 v1(79.03,59.17)
Net-(D104-A): length 52.2
  Top w0.2: v1(74,59.83) 73.5,59.33 73.5,57.53 73.11,57.14 73.11,56.54 72.94,56.37 72.94,55.63 73.19,55.38 73.5,55.38 73.5,50.5 v1(74,50)
  Bottom w0.2: D104.2 74,49.5 v1(74,50) ; v1(74,59.83) 108.67,59.83 J20.2
Net-(J21-Pin_1): length 39.1
  Top w0.2: U3.5 76.89,41.35 v1(77.34,41.8) ; J21.1 94.28,32.36 98.33,32.36 101.65,35.68 101.65,36.89 99.44,39.1 v1(92.5,39.1)
  In2.Cu w0.2: v1(77.34,41.8) 80.04,39.1 v1(92.5,39.1)
Net-(J21-Pin_2): length 27
  Top w0.2: v1(76.5,42.4) U3.4 ; v1(90,40.5) 89.75,40.75 84.73,40.75 84.58,40.6 81.73,40.6 81.7,40.62 81.7,40.75 81.48,40.97 81.48,41.62 v1(81.1,42)
  In2.Cu w0.2: v1(92.5,34) 95.41,31.08 J21.2 ; v1(76.5,42.4) 81.05,42.4 81.1,42.35 v1(81.1,42)
  Bottom w0.2: v1(92.5,34) 90,36.5 v1(90,40.5)
Net-(J21-Pin_3): length 47.7
  Top w0.2: v1(101.5,39.5) 101.54,39.5 104.15,36.89 104.15,35.68 100.83,32.36 99.28,32.36 J21.3
  In2.Cu w0.2: v1(76.5,43.89) 97.56,43.89 99.15,45.48 99.15,46.49 100.02,47.36 100.98,47.36 101.65,46.69 101.65,39.65 v1(101.5,39.5)
Net-(J21-Pin_4): length 50.8
  Top w0.2: J21.4 101.78,32.36 103.36,32.36 106.65,35.65 106.65,36.89 104.44,39.1 v1(103.5,39.1) ; v1(77.34,45.1) 77.28,45.16 U3.2
  In2.Cu w0.2: v1(103.5,39.1) 104.15,39.75 104.15,46.69 103.08,47.76 84.71,47.76 81.66,44.71 77.74,44.71 v1(77.34,45.1)
Net-(J21-Pin_5): length 38.2
  Top w0.2: v1(100,44.1) 94.88,44.1 v1(94.49,44.49) ; v1(106.77,40.41) 109.15,38.03 109.15,35.68 105.83,32.36 104.28,32.36 J21.5 ; v1(90,46.1) 89.18,46.1 88.48,45.4 86.04,45.4 U3.23
  In2.Cu w0.2: v1(94.49,44.49) 91.61,44.49 v1(90,46.1)
  Bottom w0.2: v1(106.77,40.41) 106.77,41.57 104.24,44.1 v1(100,44.1)
Net-(J21-Pin_6): length 40.2
  Top w0.2: J21.6 106.78,32.36 108.36,32.36 111.65,35.65 111.65,36.89 109.15,39.39 109.15,41.69 108.34,42.5 v1(104.75,42.5) ; U3.22 86.75,43.89 v1(87.75,42.89)
  Bottom w0.2: v1(104.75,42.5) 100.75,42.5 99.36,43.89 88.75,43.89 v1(87.75,42.89)
Net-(J21-Pin_7): length 30.9
  Top w0.2: U3.21 v1(86.5,42.62) ; v1(102.47,37.67) 102.17,37.67 99.35,40.48 99.35,41.69 98.44,42.59 v1(96.91,42.59)
  In2.Cu w0.2: v1(102.47,37.67) 105.87,37.67 106.65,36.89 106.65,32.43 J21.7
  Bottom w0.2: v1(86.5,42.62) 87.1,42.02 91.03,42.02 91.77,42.76 96.74,42.76 v1(96.91,42.59)
Net-(J21-Pin_8): length 33.7
  Top w0.2: v1(91.5,40.5) 91.5,40.85 91,41.35 U3.20
  In2.Cu w0.2: J21.8 109.22,29.81 107.52,29.81 106.85,30.48 106.85,31.67 104,34.52 v1(93.48,34.52)
  Bottom w0.2: v1(93.48,34.52) 93.4,34.6 92.57,34.6 91.5,35.67 v1(91.5,40.5)
Net-(J21-Pin_9): length 36.9
  Top w0.2: U3.19 85.98,39.9 88.82,39.9 v1(89,40.08)
  In2.Cu w0.2: J21.9 111.32,29.41 92.09,29.41 91,30.5 v1(91,33)
  Bottom w0.2: v1(91,33) 89,35 v1(89,40.08)
Net-(J21-Pin_10): length 38.2
  Top w0.2: v1(90.5,35) 86.69,38.81 U3.18
  In2.Cu w0.2: J21.10 113.42,29.01 91.93,29.01 89.42,31.51 89.42,33.92 v1(90.5,35)
Net-(J21-Pin_11): length 39.3
  Top w0.2: U3.17 86.82,37.54 88.82,35.54 v1(88.82,33)
  In2.Cu w0.2: J21.11 115.52,28.61 91.76,28.61 88.82,31.54 v1(88.82,33)
Net-(J21-Pin_12): length 41.2
  Top w0.2: U3.16 86.82,36.27 88.22,34.87 v1(88.22,34)
  In2.Cu w0.2: J21.12 117.62,28.2 91.59,28.2 88.22,31.57 v1(88.22,34)
Net-(U2-~{E}): length 7
  In2.Cu w0.2: v1(66,36.5) 66,37.33 v1(66.57,37.9)
  Bottom w0.2: H1.1 67.1,37.9 v1(66.57,37.9) ; v1(66,36.5) 67.32,35.17 R1.2 69.39,35 v1(69.5,35.11)
Net-(U3-~{E}): length 6
  In2.Cu w0.2: v1(85.8,35) 85.3,34.5 v1(82,34.5) v1(82,36.5)
Net-(U4-QH'): length 15.6
  In2.Cu w0.2: v1(31,53.5) 25,53.5 23.55,52.05 23.55,49.18 23.75,49.18 24.1,48.83 24.1,48.33 23.75,47.98 23.55,47.98 v1(23.55,47.31)
  Bottom w0.2: v1(31,53.5) 31.2,53.7 U5.14
Net-(U5-QH'): length 15.5
  In2.Cu w0.2: v1(33.05,47.35) 33.05,51.83 33.3,51.83 33.65,52.18 33.65,52.55 34.6,53.5 v1(41,53.5)
  Bottom w0.2: U6.14 41.66,53.66 41.5,53.5 v1(41,53.5)
Net-(U6-QH'): length 17
  In2.Cu w0.2: v1(52,53.5) 44,53.5 43.39,52.89 43.65,52.64 43.65,52.14 43.3,51.79 43.05,51.79 v1(43.05,47.31)
  Bottom w0.2: U7.14 52.58,53.58 52.5,53.5 v1(52,53.5)

## Copper pours and planes (outline as drawn; the poured copper is in the pictures)
GND on Top, Bottom, In1.Cu, In2.Cu: 125.5,0 125.5,67.5 0,67.5 0,0
GND on In1.Cu: 125.5,0 125.5,67.5 0,67.5 0,0

## Text on the board
User.9: { / "ViaStitching": "0.2", / "stitch_zone_0": { / "HSpacing": "1", / "VSpacing": "1", / "HOffset": "0", / "VOffset": "0", / "Clearance": ".25", / "Randomize": false / } / } | { / "ViaStitching": "0.2", / "stitch_zone_0": { / "HSpacing": "1", / "VSpacing": "1", / "HOffset": "0", / "VOffset": "0", / "Clearance": "0", / "Randomize": false / } / } | { / "ViaStitching": "0.2", / "stitch_zone_0": { / "HSpacing": "1", / "VSpacing": "1", / "HOffset": "1", / "VOffset": "1", / "Clearance": "0", / "Randomize": false / } / } | { / "ViaStitching": "0.2", / "stitch_zone_0": { / "HSpacing": "1", / "VSpacing": "1", / "HOffset": "1", / "VOffset": "1", / "Clearance": "1", / "Randomize": false / } / } | { / "ViaStitching": "0.2", / "stitch_zone_0": { / "HSpacing": "1.27", / "VSpacing": "1.27", / "HOffset": "0", / "VOffset": "0", / "Clearance": ".2", / "Randomize": false / } / } | { / "ViaStitching": "0.2", / "stitch_zone_0": { / "HSpacing": "1.27", / "VSpacing": "1.27", / "HOffset": "0", / "VOffset": "0", / "Clearance": "0.2", / "Randomize": false / } / }
